# Altium PCB pcb.PcbDoc (part 1 of 3) (continued)
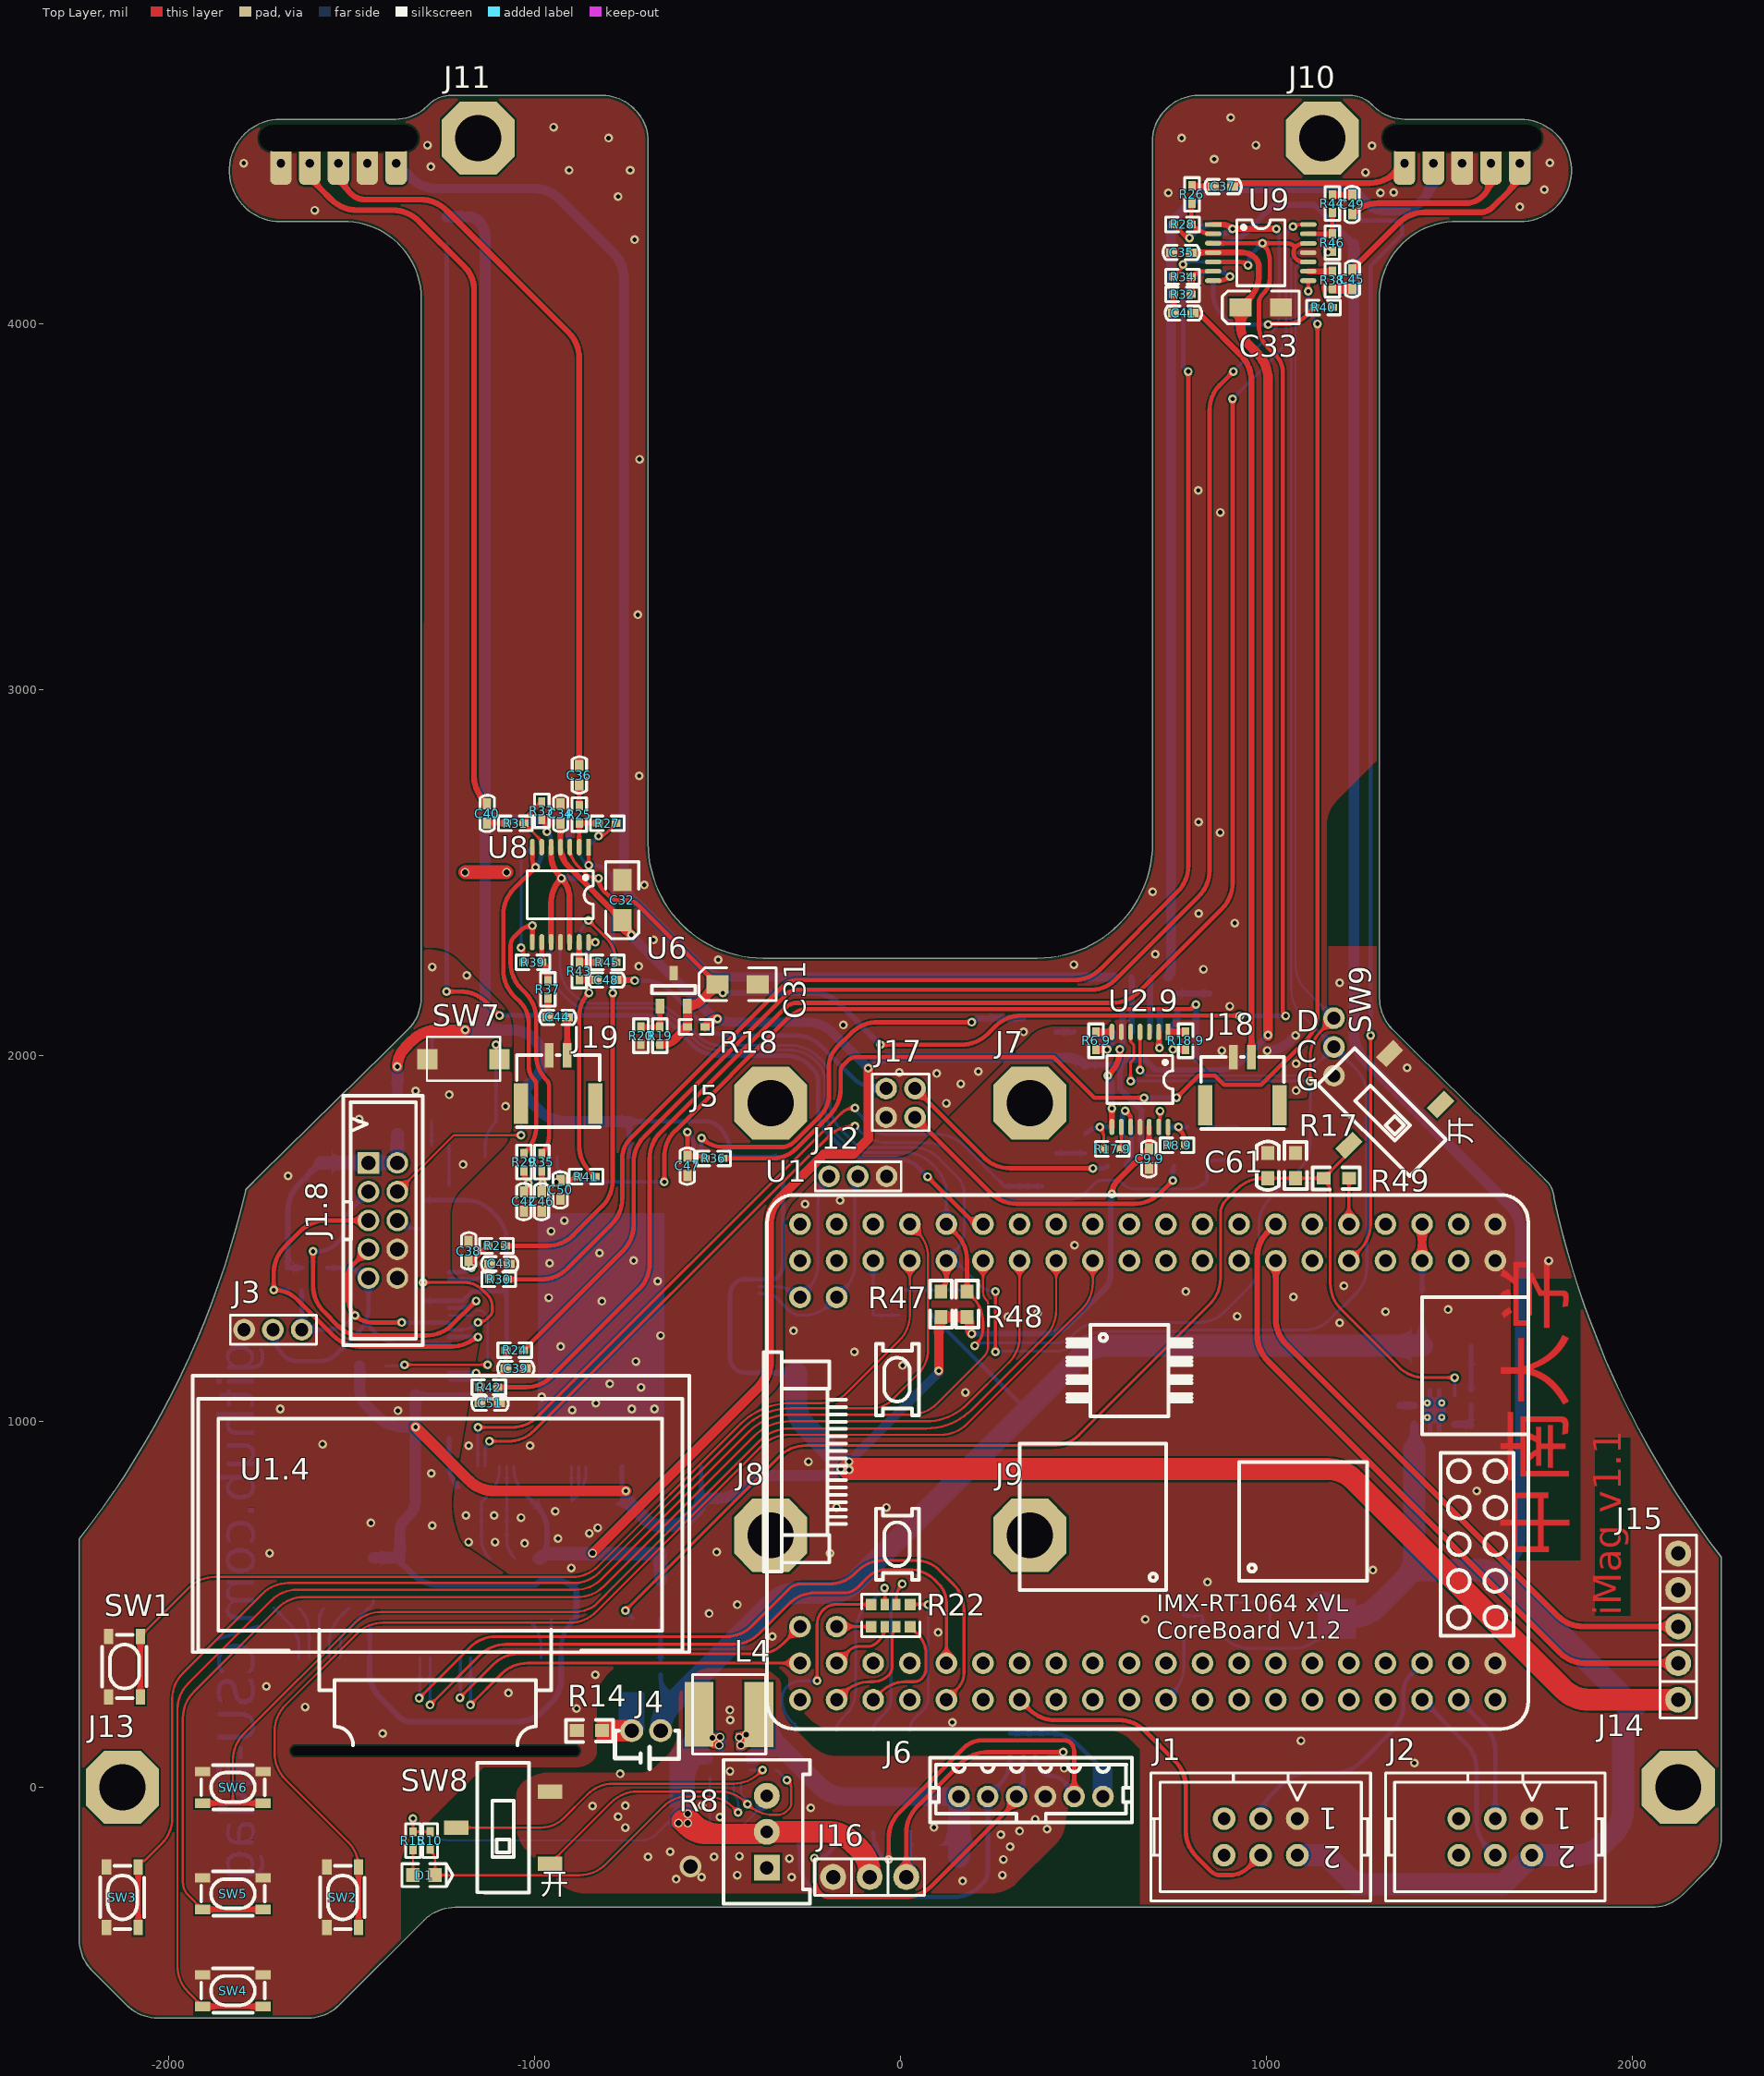
[diagram p0: Top Layer view]
## Components (designator, comment, footprint, x,y, rotation, side; value= is the part's Value field where it differs from the comment) (continued)
C48 "104" C0402 -779.8,2206.8 r180 top value=22pF
C49 "104" C0402 1235,4303.2 r90 top value=22pF
C50 "？" C0402 -928.82,1609.97 r90 top value=22pF
C51 "？" C0402 -1098.48,1050.28 r180 top value=22pF
C52 "电解电容" "贴片电解 6.3*5.4" 264.37,-190 r0 bottom value=100pF
C53 "106" C0603 484.74,47.52 r0 bottom value=22pF
C54 "104" C0603 -849.27,2645 r180 bottom value=22pF
C55 "104" C0603 1020,4325 r180 bottom value=22pF
C56 "104" C0603 -1180,4223.4 r90 bottom value=22pF
C57 "104" C0603 1170.72,4150 r0 bottom value=22pF
C58 "106" C0603 2025,308.39 r270 bottom value=22pF
C59 "106" C0603 1815,-116.61 r270 bottom value=22pF
C60 "106" C0603 1165,-116.61 r270 bottom value=22pF
C61 "106" C0603 1004.29,1734 r270 top value=22pF
D1 "LED" "LED 0603R" -1301.51,-240 r180 top
D1.2 "肖特基" SOD-123F 1083.01,420 r0 bottom (schematic designator D1)
D1.4 "肖特基" SOD-123 -1440,569.55 r90 bottom (schematic designator D1)
D1.8 "肖特基" SOD-123 -1374,1841.93 r270 bottom (schematic designator D1)
D1.9 "肖特基" SOT-23 380.73,2064.68 r90 bottom (schematic designator D1)
D2.9 "肖特基" SOT-23 926.01,1759.57 r180 bottom (schematic designator D2)
D3.9 "肖特基" SOT-23 426.01,1688.15 r180 bottom (schematic designator D3)
D4.9 "肖特基" SOT-23 845,2124.72 r180 bottom (schematic designator D4)
F1 "500mA保险丝" FUSE-1210 1428.01,1209 r0 bottom
J1 "SIP-6" 2.54简易牛角座6P 1085,-85.61 r180 top
J1.8 "2.0MM" IDC-10P -1413.99,1549.39 r270 top (schematic designator J1)
J2 "SIP-6" 2.54简易牛角座6P 1726.01,-85.61 r180 top
J3 "SIP-3" 2.0排针3P -1705.91,1255.79 r0 top
J4 "电池" MX2.0 -655,160 r180 top
J5 "3mm" "定位孔 3mm" -354.33,1870.08 r0 top locked
J6 "SIP-6" PH2.0-6P 317.52,-25 r0 top
J7 "3mm" "定位孔 3mm" 354.33,1870.08 r0 top locked
J8 "3mm" "定位孔 3mm" -354.33,688.98 r0 top locked
J9 "3mm" "定位孔 3mm" 354.33,688.98 r0 top locked
J10 "3mm" "定位孔 3mm" 1153.53,4507.87 r0 top locked
J11 "3mm" "定位孔 3mm" -1153.56,4507.87 r0 top locked
J12 "SIP-3" 2.0排针3P -107.52,1675 r0 top
J13 "3mm" "定位孔 3mm" -2125.98,0 r0 top locked
J14 "3mm" "定位孔 3mm" 2125.98,0 r0 top locked
J15 "SIP-6" 2.54排针1X5 2125.98,439.39 r90 top
J16 "SIP-3" 2.54排针1X3 -83.72,-245.13 r180 top
J17 "SIP-6" 2.0排针4P 48.74,1915 r0 top
J18 "SIP-3" GH1.25-2P 935,1930 r0 top
J19 "SIP-3" GH1.25-2P -935,1935 r0 top
J30 "SIP-3" 2.0排针3P 1190,2032.48 r90 bottom (schematic designator J3)
L1 "10uH" L0603 -1014.18,625 r180 bottom
L2 "10uH" L0603 -1252.29,2060 r0 bottom
L3 "10uH" L0603 -1160.93,625 r0 bottom
L4 "1.5uH" L5X5 -367.69,102 r180 top
Q1.2 "NPN" SOT-23 871.29,505.6 r90 bottom (schematic designator Q1)
R1 "1k" R0603 86.28,1359.47 r270 bottom value=150R
R1.2 "10K" R0402 826.01,420 r0 bottom value=150R (schematic designator R1)
R1.4 "560K" R0402 -1057.46,450.61 r0 bottom value=150R (schematic designator R1)
R1.8 "1KΩ" 0603_Rx4 -1620.16,1389.69 r0 bottom (schematic designator R1)
R1.9 "5.1K" R0402 632.64,2215 r180 bottom value=150R (schematic designator R1)
R2 "1k" R0603 -2.98,1290.47 r90 bottom value=150R
R2.2 "1K" R0402 775,468.2 r270 bottom value=150R (schematic designator R2)
R2.8 "33" R0603 -1305,1526.38 r270 bottom value=150R (schematic designator R2)
R2.9 "5.1K" R0402 700,1698.33 r0 bottom value=150R (schematic designator R2)
R3 "1k" R0603 167,1290.47 r90 bottom value=150R
R3.2 "10K" R0402 775,568.2 r270 bottom value=150R (schematic designator R3)
R3.8 "910" R0603 -1036,1820 r180 bottom value=150R (schematic designator R3)
R3.9 "1K" R0402 607.05,2117 r90 bottom value=150R (schematic designator R3)
R4 "10K" R0603 -1477.77,1152.36 r0 bottom value=150R
R4.9 "1K" R0402 709.41,1755.29 r0 bottom value=150R (schematic designator R4)
R5 "220" R0402 -1233.1,1755 r180 bottom value=150R
R6 "10K" R0603 -897.3,783.72 r270 bottom value=150R
R6.9 "47K" R0402 535,2016.64 r90 top value=150R (schematic designator R6)
R7 "10K" R0603 -1105,1900 r0 bottom value=150R
R8 "100K" 3296W -365,-121.57 r90 top
R8.9 "47K" R0402 779.97,1755 r180 top value=150R (schematic designator R8)
R9 "10K" R0402 -340,95.72 r270 bottom value=150R
R9.9 "47K" R0402 285,2102.09 r270 bottom value=150R (schematic designator R9)
R10 "100K" R0402 -1285,-169.77 r90 top value=150R
R10.9 "47K" R0402 838,1705.71 r90 bottom value=150R (schematic designator R10)
R11 "267K" R0402 -472.11,-145 r180 bottom value=150R
R11.9 "5.1K" R0402 615,1698.33 r180 bottom value=150R (schematic designator R11)
R12 "0" R0603 -733.74,308.39 r270 bottom value=150R
R12.9 "5.1K" R0402 683,2215 r0 bottom value=150R (schematic designator R12)
R13 "51K, 1%" R0402 -571.52,-145 r270 bottom value=150R
R13.9 "1K" R0402 605,1749.29 r180 bottom value=150R (schematic designator R13)
R14 "0" R0603 -884,155 r0 top value=150R
R14.9 "1K" R0402 709.41,2117 r90 bottom value=150R (schematic designator R14)
R15 "511" R0402 -1331.82,-121.8 r270 top value=150R
R16 "NC" R0603 -826.89,73.14 r270 bottom value=150R
R17 "NC" R0603 1080,1665 r90 top value=150R
R17.9 "47K" R0402 555.62,1745 r0 top value=150R (schematic designator R17)
R18 "165Ω" R0402 -582.12,2078.52 r0 top value=150R
R18.9 "47K" R0402 779.97,2016.64 r90 top value=150R (schematic designator R18)
R19 "1.07K" R0402 -656.93,2078.52 r270 top value=150R
R19.9 "47K" R0402 337.73,1642.87 r90 bottom value=150R (schematic designator R19)
R20 "365Ω" R0402 -708.92,2078.52 r270 top value=150R
R20.9 "47K" R0402 807.6,2030 r0 bottom value=150R (schematic designator R20)
R21 "?" 0603_Rx4 352.95,117.2 r0 bottom
R22 "?" 0603_Rx4 -26.33,469.71 r0 top
R23 "电阻" R0402 -1127.62,1480 r0 top value=150R
R24 "电阻" R0402 -1077.77,1195 r0 top value=150R
R25 "1K" R0402 -877.64,2635 r90 top value=150R
R26 "1K" R0402 797.13,4330 r90 top value=150R
R27 "19K" R0402 -825,2635 r0 top value=150R
R28 "19K" R0402 795,4271.77 r180 top value=150R
R29 "电阻" R0402 -1028.2,1685 r90 top value=150R
R30 "电阻" R0402 -1121.68,1388.58 r0 top value=150R
R31 "1K" R0402 -1028.2,2635 r180 top value=150R
R32 "1K" R0402 795,4080.62 r180 top value=150R
R33 "19K" R0402 -980,2693.2 r270 top value=150R
R34 "19K" R0402 795,4128.82 r180 top value=150R
R35 "电阻" R0402 -980,1685 r90 top value=150R
R36 "电阻" R0402 -533.92,1719.14 r0 top value=150R
R37 "1K" R0402 -963.39,2205 r270 top value=150R
R38 "1K" R0402 1180.52,4143.82 r270 top value=150R
R39 "19K" R0402 -980,2255 r180 top value=150R
R40 "19K" R0402 1180.52,4045 r180 top value=150R
R41 "电阻" R0402 -882.54,1669.29 r0 top value=150R
R42 "电阻" R0402 -1148.48,1093.44 r0 top value=150R
R43 "1K" R0402 -877.64,2255 r270 top value=150R
R44 "1K" R0402 1180.52,4305 r90 top value=150R
R45 "19K" R0402 -825,2255 r0 top value=150R
R46 "19K" R0402 1180.52,4246.18 r270 top value=150R
R47 "4.7K" R0603 111.02,1286 r90 top value=150R
R48 "4.7K" R0603 182.3,1286 r90 top value=150R
R49 "10K" R0603 1157.01,1665 r0 top value=150R
SW1 "SW" KEY-SMD_4P-L4.2-W3.2-P2.20-LS4.6 -2120,330 r270 top
SW2 "SW" KEY-SMD_4P-L4.2-W3.2-P2.20-LS4.6 -1523.99,-300.61 r270 top
SW3 "SW" KEY-SMD_4P-L4.2-W3.2-P2.20-LS4.6 -2125.98,-300.61 r270 top
SW4 "SW" KEY-SMD_4P-L4.2-W3.2-P2.20-LS4.6 -1823.99,-555.61 r180 top
SW5 "SW" KEY-SMD_4P-L4.2-W3.2-P2.20-LS4.6 -1823.99,-290.61 r180 top
SW6 "SW" KEY-SMD_4P-L4.2-W3.2-P2.20-LS4.6 -1823.99,0 r180 top
SW7 "SW" 按键微动开关2 -1193.86,1990.94 r0 top
SW8 "K3-1235S-K1" K3-1235S-K1 -1085.17,-110 r90 top
SW9 "K3-1235S-K1" K3-1235S-K1 1316.43,1845.51 r135 top
U1 "MIMXRT1064xVL_CoreBoard" MIMXRT1064xVL_CoreBoard 676.01,889.39 r180 top locked
U1.4 "OLED 1.3\"" "OLED1.3\"" -2726.19,1140.42 r0 top locked (schematic designator U1)
U1.9 "OPA4377" TSSOP-14 735,1804.84 r90 bottom (schematic designator U1)
U2 "MK66FX1M0VLQ18" "LQFP144 20X20" -810,1300 r180 bottom locked
U2.9 "103E" TSSOP-14 731.77,2064.84 r270 top (schematic designator U2)
U3 "TPS63070" VQFN-15 -465.2,56.38 r90 bottom
U4 "LP5907QMFX-3.3Q1" SOT-23-5 -692.4,514.8 r180 bottom
U5 "3.3V" VSON-8 1459.88,1030.8 r0 bottom value=Value
U6 "LM4041DIM3" SOT-23 -619.53,2180.6 r0 top
U7 "LTV-247" WSOP-16 -99.02,17.32 r0 bottom
U8 "OPA4377" TSSOP-14 -852.05,2569.84 r270 top
U9 "OPA4377" TSSOP-14 855,4271.77 r0 top
U10 "103E" TSSOP-14 -853.23,2310 r90 bottom
U11 "103E" TSSOP-14 1114.84,4271.77 r180 bottom
U12 "CC6209" SOT-23 -1285,4255 r270 bottom
U13 "CC6209" SOT-23 1285,4255 r90 bottom
Y1 "有源晶振" "OSC 5032-4P" -1230.21,1894.8 r270 bottom

## Footprints (in the part's own frame and the unit in brackets; to place one, negate y for a bottom-side part, rotate by r counter-clockwise, add the part's x,y. Pads: shape width x height; smd on the part's side, far side on the other; paste and mask are expansions set on the pad)
2.0排针3P [mm]
  round 1.5 hole 0.9: 1(-2.222,-0.127) 2(-0.222,-0.127) 3(1.778,-0.127)
  silkscreen extent -3.17,-1.14 2.79,0.89
2.0排针4P [mm]
  round 1.5 hole 0.9: 1(-2.222,-0.127) 2(-0.222,-0.127) 3(-0.222,-2.127) 4(-2.222,-2.127)
  silkscreen extent -3.17,-3.05 0.76,0.89
2.54排针1X3 [mm]
  round 1.8 hole 1: 1(-2.54,0) 2(0,0) 3(2.54,0)
  silkscreen extent -3.81,-1.27 3.81,1.27, body extent -3.81,-1.27 3.81,1.27, height 2.5
2.54排针1X5 [mm]
  round 1.8 hole 1: 1(-5.08,0) 2(-2.54,0) 3(0,0) 4(2.54,0) 5(5.08,0)
  silkscreen extent -6.35,-1.27 6.35,1.27, body extent -6.35,-1.27 6.35,1.27, height 2.5
2.54简易牛角座6P [mil]
  round 62 hole 35: 1(0,0) 2(0,100) 3(100,0) 4(100,100) 5(200,0) 6(200,100)
  silkscreen extent -200,-125 400,225, body extent -200,-117 400,231, height 359
0603_Rx4 [mm] "贴片排阻"
  rect 0.75x0.8 smd mask+0.051: 1(-1.35,-0.77) 4(1.35,-0.77) 5(1.35,0.77) 8(-1.35,0.77)
  rect 0.58x0.8 smd mask+0.051: 2(-0.4,-0.77) 3(0.4,-0.77) 6(0.4,0.77) 7(-0.4,0.77)
  silkscreen extent -2.02,-1.47 2.02,1.47, body extent -1.6,-0.8 1.6,0.8, height 0.55
0805C [mil]
  rect 60x50 smd: 1(-45,0) 2(45,0)
  silkscreen extent -83,-33 83,33, body extent -39,-24 39,24, height 37
3216-ce [mil]
  rect 60x50 smd: 1(0,0) 2(-110,0)
  silkscreen extent -160,-45 50,45, body extent -122,-31 12,35, height 67
3296W [mm]
  rect 1.8x1.8 hole 0.95: 1(-2.5,0)
  round 1.8 hole 0.85: 2(0,0) 3(2.5,0)
  silkscreen extent -5,-3 5,3, body extent -4.76,-2.4 4.76,2.4, height 11.55
Beep-5.0*5.0 [mm]
  rect 2.3x1.5 smd: 1(-1.75,-1.75) 2(1.75,-1.75) 3(-1.75,1.75)
  silkscreen extent -2.4,-2.5 2.6,2.5, body extent -2.41,-2.54 2.67,2.54, height 2
C0402 [mil]
  rect 30x23 smd: 1(-3,0) 2(50,0)
  silkscreen extent -27,-19 73,20, body extent 2,-10 42,10, height 20
C0603 [mil]
  rect 38x35 smd: 1(0,0) 2(69,0)
  silkscreen extent -31,-30 101,30, body extent 4,-16 67,16, height 12
FILTER-SMD_3P-L1.0-W0.5-L [mm]
  rect 0.3x0.7 smd: 1(-0.5,0) 3(0.5,0)
  rect 0.4x0.25 smd: 2(0,-0.25) 2(0,0.25)
  silkscreen extent -1.32,-0.55 0.84,0.55, body extent -0.45,-0.25 0.55,0.25, height 0.5
FUSE-1210 [mil]
  rect 60x100 smd: 1(-2,2) 2(133,2)
  silkscreen extent -52,-68 183,72, body extent 8,-49 134,53, height 27
GH1.25-2P [mm]
  rect 0.6x1.7 smd: 1(0.625,1.675) 2(-0.625,1.675)
  rect 1x2.8 smd: 3(2.575,-1.675) 4(-2.575,-1.675)
  silkscreen extent -2.88,-3.33 2.88,1.68
IDC-10P [mm]
  rect 1.5x1.5 hole 1: 1(-4,-1)
  round 1.5 hole 1: 2(-4,1) 3(-2,-1) 4(-2,1) 5(0,-1) 6(0,1) 7(2,-1) 8(2,1) 9(4,-1) 10(4,1)
  silkscreen extent -8.67,-2.75 8.67,2.75
K3-1235S-K1 [mm]
  rect 1x1.7 smd: 1(-2.5,-3.25) 2(-0.002,3.25) 3(2.5,-3.25)
  silkscreen extent -4.5,-1.8 4.5,1.8
KEY-SMD_4P-L4.2-W3.2-P2.20-LS4.6 [mm]
  rect 1.05x0.65 smd: 1(-2.1,1.1) 1(2.1,1.1) 2(-2.1,-1.1) 2(2.1,-1.1)
  silkscreen extent -2.2,-1.55 2.2,1.52, body extent -2.3,-1.5 2.3,1.5, height 2.1
L5X5 [mil]
  rect 78.74x177.17 smd: 1(19,-97) 2(182,-98)
  silkscreen extent 0,-206 200,11, body extent 3,-193 195,-1, height 114
L0603 [mil]
  rect 38x35 smd: 1(-28,0) 2(38.87,0)
  silkscreen extent -60,-31 71,30, body extent -24,-15 36,15, height 20
"LED 0603R" [mm] "红色0603LED"
  rect 0.93x0.98 smd: A(0.77,0) K(-0.77,0)
  silkscreen extent -2,-0.79 1.53,0.79, body extent -0.8,-0.4 0.8,0.4, height 0.61
"LQFP144 20X20" [mm]
  oval 0.35x1.753 smd: 1(-8.75,-10.747) 2(-8.25,-10.747) 3(-7.75,-10.747) 4(-7.25,-10.747) 5(-6.75,-10.747) 6(-6.25,-10.747) 7(-5.75,-10.747) 8(-5.25,-10.747) 9(-4.75,-10.747) 10(-4.25,-10.747) 11(-3.75,-10.747) 12(-3.25,-10.747) 13(-2.75,-10.747) 14(-2.25,-10.747) 15(-1.75,-10.747) 16(-1.25,-10.747) 17(-0.75,-10.747) 18(-0.25,-10.747) 19(0.25,-10.747) 20(0.75,-10.747) 21(1.25,-10.747) 22(1.75,-10.747) 23(2.25,-10.747) 24(2.75,-10.747) 25(3.25,-10.747) 26(3.75,-10.747) 27(4.25,-10.747) 28(4.75,-10.747) 29(5.25,-10.747) 30(5.75,-10.747) 31(6.25,-10.747) 32(6.75,-10.747) 33(7.25,-10.747) 34(7.75,-10.747) 35(8.25,-10.747) 36(8.75,-10.747) 73(8.75,10.747) 74(8.25,10.747) 75(7.75,10.747) 76(7.25,10.747) 77(6.75,10.747) 78(6.25,10.747) 79(5.75,10.747) 80(5.25,10.747) 81(4.75,10.747) 82(4.25,10.747) 83(3.75,10.747) 84(3.25,10.747) 85(2.75,10.747) 86(2.25,10.747) 87(1.75,10.747) 88(1.25,10.747) 89(0.75,10.747) 90(0.25,10.747) 91(-0.25,10.747) 92(-0.75,10.747) 93(-1.25,10.747) 94(-1.75,10.747) 95(-2.25,10.747) 96(-2.75,10.747) 97(-3.25,10.747) 98(-3.75,10.747) 99(-4.25,10.747) 100(-4.75,10.747) 101(-5.25,10.747) 102(-5.75,10.747) 103(-6.25,10.747) 104(-6.75,10.747) 105(-7.25,10.747) 106(-7.75,10.747) 107(-8.25,10.747) 108(-8.75,10.747)
  oval 1.753x0.35 smd: 37(10.747,-8.75) 38(10.747,-8.25) 39(10.747,-7.75) 40(10.747,-7.25) 41(10.747,-6.75) 42(10.747,-6.25) 43(10.747,-5.75) 44(10.747,-5.25) 45(10.747,-4.75) 46(10.747,-4.25) 47(10.747,-3.75) 48(10.747,-3.25) 49(10.747,-2.75) 50(10.747,-2.25) 51(10.747,-1.75) 52(10.747,-1.25) 53(10.747,-0.75) 54(10.747,-0.25) 55(10.747,0.25) 56(10.747,0.75) 57(10.747,1.25) 58(10.747,1.75) 59(10.747,2.25) 60(10.747,2.75) 61(10.747,3.25) 62(10.747,3.75) 63(10.747,4.25) 64(10.747,4.75) 65(10.747,5.25) 66(10.747,5.75) 67(10.747,6.25) 68(10.747,6.75) 69(10.747,7.25) 70(10.747,7.75) 71(10.747,8.25) 72(10.747,8.75) 109(-10.747,8.75) 110(-10.747,8.25) 111(-10.747,7.75) 112(-10.747,7.25) 113(-10.747,6.75) 114(-10.747,6.25) 115(-10.747,5.75) 116(-10.747,5.25) 117(-10.747,4.75) 118(-10.747,4.25) 119(-10.747,3.75) 120(-10.747,3.25) 121(-10.747,2.75) 122(-10.747,2.25) 123(-10.747,1.75) 124(-10.747,1.25) 125(-10.747,0.75) 126(-10.747,0.25) 127(-10.747,-0.25) 128(-10.747,-0.75) 129(-10.747,-1.25) 130(-10.747,-1.75) 131(-10.747,-2.25) 132(-10.747,-2.75) 133(-10.747,-3.25) 134(-10.747,-3.75) 135(-10.747,-4.25) 136(-10.747,-4.75) 137(-10.747,-5.25) 138(-10.747,-5.75) 139(-10.747,-6.25) 140(-10.747,-6.75) 141(-10.747,-7.25) 142(-10.747,-7.75) 143(-10.747,-8.25) 144(-10.747,-8.75)
  silkscreen extent -8.89,-8.89 8.89,8.89, body extent -11.02,-11 10.98,11, height 1.45
MIMXRT1064xVL_CoreBoard [mm] "逐飞科技i.MX RT1064核心板整体封装，可直接使用"
  round 1.5 hole 0.9: 1(-24.13,-16.51) 2(-24.13,-13.97) 3(-21.59,-16.51) 4(-21.59,-13.97) 5(-19.05,-16.51) 6(-19.05,-13.97) 7(-16.51,-16.51) 8(-16.51,-13.97) 9(-13.97,-16.51) 10(-13.97,-13.97) 11(-11.43,-16.51) 12(-11.43,-13.97) 13(-8.89,-16.51) 14(-8.89,-13.97) 15(-6.35,-16.51) 16(-6.35,-13.97) 17(-3.81,-16.51) 18(-3.81,-13.97) 19(-1.27,-16.51) 20(-1.27,-13.97) 21(1.27,-16.51) 22(1.27,-13.97) 23(3.81,-16.51) 24(3.81,-13.97) 25(6.35,-16.51) 26(6.35,-13.97) 27(8.89,-16.51) 28(8.89,-13.97) 29(11.43,-16.51) 30(11.43,-13.97) 31(13.97,-16.51) 32(13.97,-13.97) 33(16.51,-16.51) 34(16.51,-13.97) 35(19.05,-16.51) 36(19.05,-13.97) 37(21.59,-16.51) 38(21.59,-13.97) 39(24.13,-16.51) 40(24.13,-13.97) 41(21.59,-11.43) 42(24.13,-11.43) 43(24.13,11.43) 44(21.59,11.43) 45(24.13,13.97) 46(24.13,16.51) 47(21.59,13.97) 48(21.59,16.51) 49(19.05,13.97) 50(19.05,16.51) 51(16.51,13.97) 52(16.51,16.51) 53(13.97,13.97) 54(13.97,16.51) 55(11.43,13.97) 56(11.43,16.51) 57(8.89,13.97) 58(8.89,16.51) 59(6.35,13.97) 60(6.35,16.51) 61(3.81,13.97) 62(3.81,16.51) 63(1.27,13.97) 64(1.27,16.51) 65(-1.27,13.97) 66(-1.27,16.51) 67(-3.81,13.97) 68(-3.81,16.51) 69(-6.35,13.97) 70(-6.35,16.51) 71(-8.89,13.97) 72(-8.89,16.51) 73(-11.43,13.97) 74(-11.43,16.51) 75(-13.97,13.97) 76(-13.97,16.51) 77(-16.51,13.97) 78(-16.51,16.51) 79(-19.05,13.97) 80(-19.05,16.51) 81(-21.59,13.97) 82(-21.59,16.51) 83(-24.13,13.97) 84(-24.13,16.51)
  silkscreen extent -26.42,-18.54 26.67,18.54, body extent -25.4,-17.78 25.49,17.78, height 8.5
MX2.0 [mm] "空对空"
  round 1.6 hole 1: 1(0,0.127) 2(2,0.127)
  silkscreen extent -1.27,0.13 3.17,2.79
"OLED1.3\"" [mm] "OLED_UG-9664HDDAG01"
  rrect50% 0x0 hole 20 slot 0.6 at 90 deg unplated: 0(36.957,-26.435)
  rrect50% 0.5x2.6 smd far side: 1(26.81,-19.965)
  rect 0.5x2.6 smd far side: 2(27.509,-19.966) 3(28.21,-19.965) 4(28.91,-19.965) 5(29.61,-19.965) 6(30.31,-19.965) 7(31.01,-19.965) 8(31.71,-19.965) 9(32.41,-19.965) 10(33.11,-19.965) 11(33.81,-19.965) 12(34.51,-19.965) 13(35.21,-19.965) 14(35.91,-19.965) 15(36.611,-19.965) 16(37.31,-19.965) 17(38.01,-19.965) 18(38.71,-19.965) 19(39.411,-19.966) 20(40.11,-19.965) 21(40.811,-19.964) 22(41.51,-19.965) 23(42.209,-19.965) 24(42.91,-19.965) 25(43.61,-19.966) 26(44.31,-19.965) 27(45.011,-19.966) 28(45.71,-19.965) 29(46.411,-19.965) 30(47.11,-19.965)
  silkscreen extent 20.11,-26.04 54.61,-0.38, body extent 19.73,-26.42 54.23,-0.33, height 3.83
"OSC 5032-4P" [mm]
  rect 1.8x1.3 smd: 1(-1.9,-1.15)
  rrect50% 1.8x1.3 smd: 2(1.9,-1.15) 3(1.9,1.272) 4(-1.9,1.272)
  silkscreen extent -3.05,-2.03 2.54,1.65, body extent -2.5,-1.65 2.5,1.55, height 0.86
PH2.0-6P [mm]
  round 1.5 hole 0.9: 1(6,0) 2(4,0) 3(2,0) 4(0,0) 5(-2,0) 6(-4,0)
  silkscreen extent -6,-1.8 8,2.7, body extent -5.98,-6.48 8.02,0.22, height 4.8
R0402 [mil] "1/16W"
  rect 25x20 smd: 1(0,0) 2(48.2,0)
  silkscreen extent -22,-20 70,20, body extent 5,-10 44,10, height 14
R0603 [mil] "1/10W"
  rect 38x35 smd: 1(0,0) 2(69,0)
  silkscreen extent -30,-31 99,30, body extent 4,-16 66,16, height 18
SOD-123 [mm]
  rect 1.25x1 smd: 1(1.475,0) 2(-1.475,0)
  silkscreen extent -0.5,-0.7 0.5,0.7, body extent -1.85,-0.77 1.85,0.78, height 1.35
SOD-123F [mm] "2.7x1.6X1.1mm（长宽高，不包括引脚）"
  rect 1.3x1 smd: 1(-1.85,0)
  oct 1.3x1 smd: 2(1.85,0)
  silkscreen extent -2.79,-0.89 2.84,0.89, body extent -1.9,-0.8 1.9,0.8, height 1.15
SOT-23 [mm] "SOT-23-3"
  rect 0.6x1 smd: 1(-0.95,-1.15) 2(0.95,-1.15) 3(0,1.15)
  silkscreen extent -1.5,-0.27 1.5,0.27, body extent -1.46,-1.28 1.46,1.27, height 0.99
SOT-23-5 [mm] "SOT-23-5"
  rect 0.6x1.05 smd: 1(-0.95,-1.35) 2(0,-1.35) 3(0.95,-1.35) 4(0.95,1.35) 5(-0.95,1.35)
  silkscreen extent -1.88,-1.73 1.5,0.45, body extent -1.5,-1.5 1.5,1.5, height 1.3
TSSOP-14 [mm] "4.96x4.40x1.00 e=0.65（蒜米工坊）"
  rect 1.143x0.33 smd: 1(0,0)
  oval 1.143x0.33 smd: 2(0,-0.65) 3(0,-1.3) 4(0,-1.95) 5(0,-2.6) 6(0,-3.25) 7(0,-3.9) 8(6.6,-3.9) 9(6.6,-3.25) 10(6.6,-2.6) 11(6.6,-1.95) 12(6.608,-1.321) 13(6.6,-0.65) 14(6.608,0)
  silkscreen extent 1.63,-4.25 4.96,0.33, body extent 0.03,-4.43 6.43,0.57, height 1.03
VQFN-15 [mm]
  rrect50% 0.6x0.25 smd: 1(-1.15,0.75) 2(-1.15,0.25) 3(-1.15,-0.25) 4(-1.15,-0.75)
  rrect50% 0.25x0.6 smd: 5(-0.725,-1.4) 6(-0.225,-1.4) 7(0.275,-1.4) 8(0.775,-1.4) 12(0.775,1.4) 13(0.275,1.4) 14(-0.225,1.4) 15(-0.725,1.4)
  rrect50% 0.75x0.25 smd: 7(0.525,-1.225) 12(0.525,1.225)
  rrect50% 1.35x0.25 smd: 9(0.775,-0.5) 11(0.775,0.5)
  rrect50% 1.7x0.25 smd: 10(0.6,0)
  silkscreen extent -1.78,-1.5 1.25,1.5, body extent -1.25,-1.5 1.25,1.5, height 1
VSON-8 [mm]
  oval 0.6x0.3 smd paste-0.102 mask+0.051: 1(-1.4,0.975) 2(-1.4,0.325) 3(-1.4,-0.325) 4(-1.4,-0.975) 5(1.4,-0.975) 6(1.4,-0.325) 7(1.4,0.325) 8(1.4,0.975)
  rect 1.5x1.75 smd paste-0.862 mask+0.051: 9(0,0)
  round 0.5 hole 0.203 mask+0.051: V(-0.5,-0.5) V(-0.5,0.5) V(0.5,-0.5) V(0.5,0.5)
  Top Layer region: -0.185,-1.5 -0.465,-1.5 -0.465,-0.875 -0.75,-0.875 -0.75,0.875 -0.465,0.875 -0.465,1.5 -0.185,1.5 -0.185,0.875 0.185,0.875 0.185,1.5 0.465,1.5 0.465,0.875 0.75,0.875 0.75,-0.875 0.465,-0.875 0.465,-1.5 0.185,-1.5 0.185,-0.875 -0.185,-0.875
  silkscreen extent -1.73,-1.73 1.73,1.73, body extent -1.5,-1.5 1.5,1.5, height 0.77
WSOP-16 [mm] "_L10.3-W5.4-P1.27-LS7.8-BL"
  oval 0.6x1.998 smd: 1(-4.446,-3.528) 2(-3.176,-3.528) 3(-1.906,-3.528) 4(-0.636,-3.528) 5(0.634,-3.528) 6(1.904,-3.528) 7(3.174,-3.528) 8(4.444,-3.528) 9(4.446,3.528) 10(3.176,3.528) 11(1.906,3.528) 12(0.636,3.528) 13(-0.634,3.528) 14(-1.904,3.528) 15(-3.174,3.528) 16(-4.446,3.528)
  silkscreen extent -5.33,-1.96 5.3,2.06, body extent -5.1,-3.96 5.1,3.96, height 2
"定位孔 3mm" [mm]
  oct 5.08x5.08 hole 3.2: 0(0,0)
  body extent -2.29,-2.67 2.41,2.73, height 9.05
按键微动开关2 [mm]
  rect 1.4x1.4 smd: 1(-2.5,-0.024) 2(2.5,-0.024)
  silkscreen extent -2.54,-1.52 2.54,1.52, body extent -2.5,-1.52 2.5,1.48, height 2.1
"贴片电解 4*5.4" [mm] "贴片电解 4*5.4"
  rect 2.55x1.6 smd: 1(-1.75,0) 2(1.75,0)
  silkscreen extent -2.87,-2.15 2.15,2.15, body extent -2.5,-2.15 2.5,2.15, height 5.4
"贴片电解 6.3*5.4" [mm] "贴片电解 6.3*5.4"
  rect 3.15x1.6 smd: 1(-2.65,0) 2(2.65,0)
  silkscreen extent -4.07,-3.3 3.3,3.3, body extent -3.5,-3.3 3.5,3.3, height 5.4

## Part data
C1 C24 C27: library part 陶瓷滤波器, BOM_Manufacturer="Murata Electronics", BOM_Manufacturer Part=NFM15PC473C1C3D, Capacitance=47nF, BOM_Supplier=LCSC, BOM_Supplier Part=C162672, Contributor=LCSC, spicePre=U, spiceSymbolName=NFM15PC473C1C3D
C1.2 C1.4 C1.9 C2 C2.4 C2.9 C3 C3.4 C3.9 C4 C4.4 C4.9 C5 C5.4 C5.9 C6 C6.4 C6.9 C7 C7.4 C7.9 C8 C8.9 C9 C9.9 C10.9 C11 C12 C13 C14 C15 C16 C17 C18 C19 C20 C21 C22 C23 C25 C26 C28 C29 C30 C34 C35 C36 C37 C38 C39 C40 C41 C42 C43 C44 C45 C46 C47 C48 C49 C50 C51 C53 C54 C55 C56 C57 C58 C59 C60 C61: library part 电容, "Capacitor", LatestRevisionDate=17-Jul-2002, LatestRevisionNote="Re-released for DXP Platform.", PackageDescription="Radial Cap, Thru-Hole; 2 Leads; 0.3 in Pin Spacing", PackageReference=RAD-0.3, Published=8-Jun-2000, Publisher="Altium Limited"
C1.8 C31 C52: "Polarized Capacitor (Axial)", LatestRevisionDate=17-Jul-2002, LatestRevisionNote="Re-released for DXP Platform.", PackageDescription="Polarized Capacitor; 2 Leads", PackageReference=POLAR0.8, Published=8-Jun-2000, Publisher="Altium Limited"
C11.9 C32 C33: library part 电解电容, "Polarized Capacitor (Axial)", LatestRevisionDate=17-Jul-2002, LatestRevisionNote="Re-released for DXP Platform.", PackageDescription="Polarized Capacitor; 2 Leads", PackageReference=POLAR0.8, Published=8-Jun-2000, Publisher="Altium Limited"
D1.2 D1.4 D1.8: "Schottky Diode"
D1.9 D2.9 D3.9 D4.9: library part BAT54S
F1: library part 保险丝, "500mA保险丝  1210", LatestRevisionDate=17-Jul-2002, LatestRevisionNote="Re-released for DXP Platform.", PackageDescription="Thru-Hole; 2 Leads", PackageReference=PIN-W2/E2.8, Published=8-Jun-2000, Publisher="Altium Limited"
J1.8: library part JTAG-10P
J5 J7 J8 J9 J10 J11 J13 J14: library part 定位孔
J15: library part SIP-5
J17: library part SIP-4
J18 J19: library part SIP-2
L1 L2 L3 L4: library part 电感
Q1.2: "NPN Bipolar Transistor", Code_JEDEC=TO-226-AA, LatestRevisionDate=17-Jul-2002, LatestRevisionNote="Re-released for DXP Platform.", PackageDescription="TO, Flat Index; 3 In-Line, Axial Leads; Body Dia. 4.8mm; Leads 0.55 x 0.51 mm (max)", PackageReference=TO-226-AA, Published=8-Jun-2000, Publisher="Altium Limited"
R1 R1.2 R1.4 R1.9 R2 R2.2 R2.8 R2.9 R3 R3.2 R3.8 R3.9 R4 R4.9 R5 R6 R6.9 R7 R8.9 R9 R9.9 R10 R10.9 R11 R11.9 R12 R12.9 R13 R13.9 R14 R14.9 R15 R16 R17 R17.9 R18 R18.9 R19 R19.9 R20 R20.9 R25 R26 R27 R28 R31 R32 R33 R34 R37 R38 R39 R40 R43 R44 R45 R46 R47 R48 R49: library part 电阻, "Resistor", LatestRevisionDate=17-Jul-2002, LatestRevisionNote="Re-released for DXP Platform.", PackageDescription="Axial Device, Thru-Hole; 2 Leads; 0.3 in Pin Spacing", PackageReference=AXIAL-0.3, Published=8-Jun-2000, Publisher="Altium Limited"
R1.8 R21 R22: library part 贴片排阻*4, "贴片排阻", Package=0603*4, SuppliersPartNumber=C20197, ComponentLink1Description=供应商链接, ComponentLink1URL=http://www.szlcsc.com/product/details_20907.html, Supplier=LC
R8: library part 电位器
R23 R24 R29 R30 R35 R36 R41 R42: "Resistor", LatestRevisionDate=17-Jul-2002, LatestRevisionNote="Re-released for DXP Platform.", PackageDescription="Axial Device, Thru-Hole; 2 Leads; 0.3 in Pin Spacing", PackageReference=AXIAL-0.3, Published=8-Jun-2000, Publisher="Altium Limited"
SW1 SW2 SW3 SW4 SW5 SW6 SW7: library part Switch, "Single-Pole, Single-Throw Switch"
SW8 SW9: library part 单刀双掷, "Switch"
U1: "逐飞科技i.MX RT1064核心板整体原理，可直接使用"
U1.4: library part SSD1315, "SSD1306"
U1.9 U8 U9: library part 4运放
U2: library part MK66
U2.9 U10 U11: library part MCP4452
U4: library part 线性稳压-5脚
U5: library part TPS73512DRBR, "No Description Available", Alternate_PartNumber=TPS73512DRBT, Manufacturer="Texas Instruments", CompType=IC, Copyright="Copyright (C) 2018 Accelerated Designs. All rights reserved", MountType=SMT, PackageReference=DRB0008A, PartNumber=TPS73512DRBR, PIN_COUNT=9, RefDes=RefDes, RoHS=Y, Type=DEV
U6: library part 电压基准, BOM_LCSC Assembly=Yes, BOM_Manufacturer=PJ(Pingjingsemi), BOM_Manufacturer Part=TL431, BOM_Supplier=LCSC, BOM_Supplier Part=C411752, Contributor=LCSC, SMT Type=Extend, spicePre=U, spiceSymbolName=TL431_C411752
U7: library part 4光耦, BOM_LCSC Assembly=Yes, BOM_Manufacturer=LITEON, BOM_Manufacturer Part=LTV-247, BOM_Supplier=LCSC, BOM_Supplier Part=C115451, Contributor=LCSC, SMT Type=Extend, spicePre=U, spiceSymbolName=LTV-247
U12 U13: library part 霍尔开关

## Free pads (board coordinates)
  round 0 hole 433.07 slot 70.87 at 90 deg: 0(-1535.43,4507.87) 0(1535.41,4507.87)
  rrect50% 59.05x118.11 hole 23.62: 1(-1692.91,4439.39) 1(-1614.17,4439.39) 1(-1535.43,4439.39) 1(-1456.69,4439.39) 1(-1377.95,4439.39) 1(1377.93,4439.39) 1(1456.67,4439.39) 1(1535.41,4439.39) 1(1614.15,4439.39) 1(1692.89,4439.39)

## Via types
v1: diameter 24, hole 12, Top Layer to Bottom Layer, tented both sides, 283 vias
v2: diameter 23.62, hole 15.75, Top Layer to Bottom Layer, tented both sides, 10 vias
v3: diameter 24, hole 16, Top Layer to Bottom Layer, tented both sides, 2 vias
v4: diameter 23.62, hole 11.81, Top Layer to Bottom Layer, tented both sides, 2 vias
v5: diameter 59.06, hole 39.37, Top Layer to Bottom Layer, tented both sides, 1 vias

## Nets (pads, with @x,y where several pads share a name; then routed paths per layer and width w, separated by ;. In a path a pad name is that pad's centre, name@x,y a point inside that pad or via, vN(x,y) a via of type N, cw(c..) or ccw(c..) an arc to the next point about the centre after c; other vN are vias at no path point)
\RST: J1.8.4 R3.8.1 | length 439.9
  Top Layer w6: J1.8.4@-1374.62,1628.13 -1220.39,1782.36 v1(-1036.38,1782.36)
  Bottom Layer w6: v1(-1036.38,1782.36) -1036,1782.74 R3.8.1@-1036,1820
\TRST: J1.8.3 R1.8.3 U2.55 | length 1013
  Top Layer w12: v1(-1605,1465) -1605,1371.42 ccw(c-1505,1371.42) -1575.71,1300.71 -1535,1260 ccw(c-1474.64,1320.36) -1474.64,1235 -1295.46,1235 ccw(c-1295.46,1335) -1224.75,1264.29 v1(-1159.51,1329.53)
  Bottom Layer w12: R1.8.3@-1604.41,1420 -1604.41,1463.57 ccw(c-1606.43,1463.57) v1(-1605,1465) -1593.13,1465 ccw(c-1593.13,1540.14) -1540,1487.01 -1535.68,1491.32 ccw(c-1570.74,1526.38) -1521.16,1526.38 cw(c-1439.2,1526.38) -1497.16,1584.34 J1.8.3@-1453.36,1628.13 ; U2.55@-1233.1,1309.84 -1207.04,1309.84 ccw(c-1207.04,1377.05) v1(-1159.51,1329.53)
AD_B0_00: U1.23
AD_B0_01: SW2.1 U1.24 | length 3450.4
  Top Layer w6: SW2.1@-1480.69,-217.93 ccw(c-1576.95,-217.93) -1508.88,-149.85 -1680.71,21.98 cw(c-1610,92.69) -1710,92.69 -1710,153.58 cw(c-1610,153.58) -1680.71,224.29 -1484.29,420.71 cw(c-1413.58,350) -1413.58,450 -902.58,450 ccw(c-902.58,550) -831.87,479.29 -377.02,934.14 cw(c-306.31,863.43) -306.31,963.43 111.02,963.43 ccw(c111.02,1063.43) 181.73,992.72 496.72,1307.7 ccw(c426.01,1378.41) 526.01,1378.41 U1.24@526.01,1439.39
  Top Layer w15: SW2.1@-1480.69,-383.29 SW2.1@-1480.69,-217.93
AD_B0_02: U1.25
AD_B0_03: SW6.1 U1.26 | length 3196.8
  Top Layer w6: -1823.99,-43.31 -1823.99,74.59 cw(c-1723.99,74.59) -1794.7,145.3 -1490,450 cw(c-1419.29,379.29) -1419.29,479.29 -891.61,479.29 ccw(c-891.61,579.29) -836.63,495.76 ccw(c-839.96,500.75) -835.72,496.5 -770.98,561.24 -386.21,946.01 cw(c-301.74,861.55) -301.74,981 70.32,981 ccw(c70.32,1158.81) 196.06,1033.08 396.72,1233.74 ccw(c326.01,1304.45) 426.01,1304.45 U1.26@426.01,1439.39
  Top Layer w15: SW6.1@-1906.67,-43.31 -1823.99,-43.31 SW6.1@-1741.31,-43.31
AD_B0_09: U1.49
AD_B0_10: R22.3 U1.48 | length 301.5
  Top Layer w8: U1.48@-173.99,239.39 -154.07,259.31 cw(c-83.36,188.6) -83.36,288.6 -75.47,288.6 ccw(c-75.47,350.29) -31.85,306.67 ; -31.85,306.67 ccw(c-55.8,330.62) -21.93,330.62 -21.93,412 cw(c16.81,412) R22.3@-10.58,439.39
AD_B0_11: R22.2 U1.47 | length 180.6
  Top Layer w8: U1.47@-173.99,339.39 -139.08,374.3 cw(c-113.26,348.48) -113.26,385 -89.14,385 ccw(c-89.14,419.14) -65,395 -57.26,402.74 ccw(c-93.92,439.39) R22.2@-42.08,439.39
AD_B0_12: U1.29 U12.2 | length 3817.3
  Top Layer w12: v1(-1239.86,2175.14) -1201.99,2175.14 cw(c-1201.99,2075.14) -1131.28,2145.85 v1(-1095.43,2110) ; v1(74.69,1669.29) 189.44,1554.54 ccw(c226.01,1591.11) U1.29@226.01,1539.39
  Bottom Layer w12: v1@-1240,2175 v1(-1239.86,2175.14) -1239.72,2175.28 U12.2@-1239.72,4217.6 ; v1(-1095.43,2110) -690.04,2110 cw(c-690.04,2010) -619.33,2080.71 -567.91,2029.29 ccw(c-497.2,2100) -497.2,2000 -315.25,2000 cw(c-315.25,1900) -254.29,1979.27 -239.84,1964.82 cw(c-275.65,1929) -225,1929 -225,1855.54 ccw(c-125,1855.54) -195.71,1784.83 -160.17,1749.29 ccw(c-89.46,1820) -89.46,1720 -17.44,1720 cw(c-17.44,1620) 53.27,1690.71 v1(74.69,1669.29)
AD_B0_13: U1.27